# Altium PCB Inverter_540VDC_V2.1.PcbDoc (part 1 of 2) (continued)
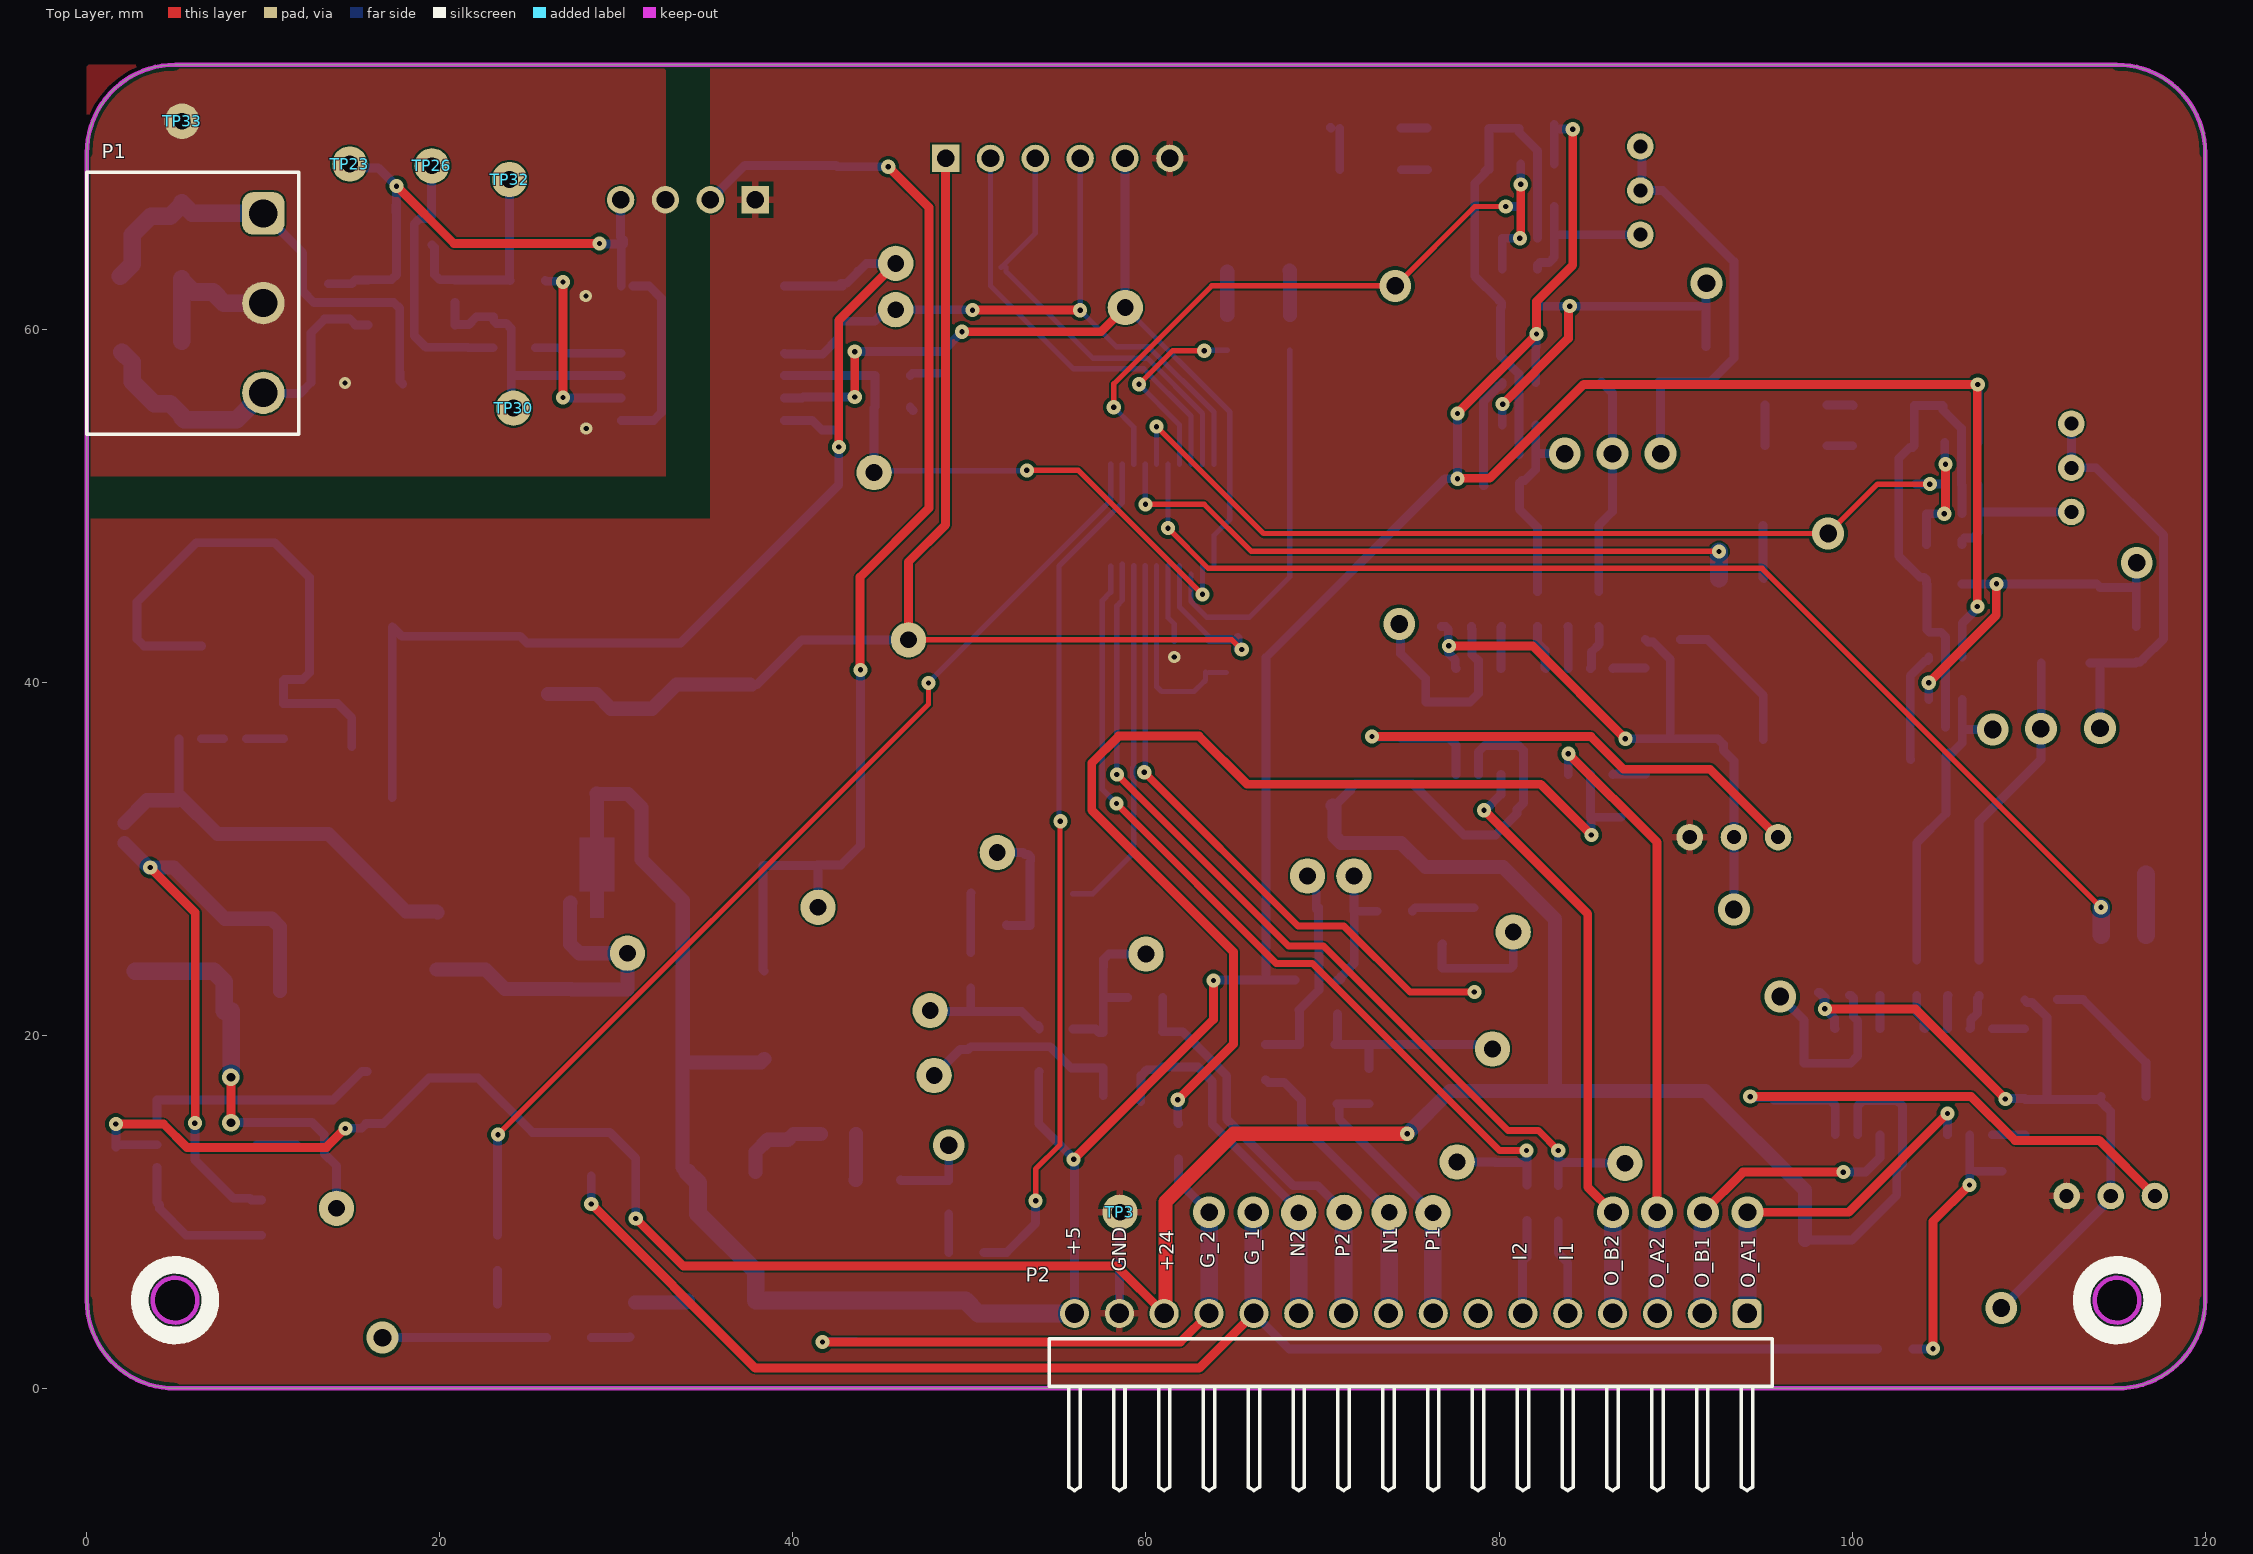
[diagram p0: Top Layer view]
## Components (designator, comment, footprint, x,y, rotation, side; value= is the part's Value field where it differs from the comment) (continued)
R49 "0.33" RES-1206 15.875,16.375 r90 bottom
R50 "100" RES-0805 24.025,58.975 r0 bottom
R51 "100" RES-0805 24.975,62.775 r0 bottom
R52 "3.8K" RES-0805 9.325,9.725 r270 bottom
R53 "10K" RES-0805 24.05,60.725 r180 bottom
R54 "220" RES-0805 45.65,57.4 r180 bottom
R55 "10K" RES-0805 45.65,55.625 r180 bottom
R56 "10K" RES-0805 16.75,56.925 r0 bottom
R57 "1.2K" RES-0805 4.975,10.575 r180 bottom
R58 "10K" RES-0805 65.2,41.55 r270 bottom
R59 "220" RES-0805 64.6,59.825 r90 bottom
R60 "10K" RES-0805 72.625,17.15 r90 bottom
R61 "10K" RES-0805 53.075,63.525 r0 bottom
R62 "10K" RES-0805 74.1,27.05 r180 bottom
R63 "10K" RES-0805 76.8,26.2 r90 bottom
R64 "10K" RES-0805 78.6,22.825 r90 bottom
R65 "220" RES-0805 68.15,59.825 r90 bottom
R66 "10K" RES-0805 66.775,18.5 r90 bottom
R67 "100K*" RES-0805 76.775,22.85 r270 bottom
R68 "10K" RES-0805 74.525,20.375 r270 bottom
R69 "10K" RES-0805 70.8,25.225 r0 bottom
R70 "10K" RES-0805 83.35,10.525 r90 bottom
R71 "10K" RES-0805 59.95,22.175 r180 bottom
R72 "10K" RES-0805 50.075,23.7 r270 bottom
R73 "10K" RES-0805 51.1,26.275 r180 bottom
R74 "10K" RES-0805 54.45,28.05 r180 bottom
R75 "10K" RES-0805 58.55,16.3 r180 bottom
R76 "100K*" RES-0805 54.425,26.25 r0 bottom
R77 "10K" RES-0805 81.575,10.55 r90 bottom
R81 "10K" RES-0805 56.625,23.95 r0 bottom
R82 "22K" RES-0805 81.575,13.825 r270 bottom
R83 "22K" RES-0805 85.125,13.8 r270 bottom
R84 "10K" RES-0805 51.875,20.375 r90 bottom
TP1 "Test_Point_PCB" Test_Point#1 108.45,4.575 r90 bottom
TP2 "Test_Point_PCB" Test_Point#1 16.75,2.9 r90 bottom
TP3 "Test_Point_PCB" Test_Point#2 58.525,10 r0 top locked
TP4 "Test_Point_PCB" Test_Point#1 98.636,48.448 r90 bottom
TP5 "Test_Point_PCB" Test_Point#1 114.039,37.419 r0 bottom
TP6 "Test_Point_PCB" Test_Point#1 107.964,37.344 r0 bottom
TP7 "Test_Point_PCB" Test_Point#1 91.55,10 r90 bottom locked
TP8 "Test_Point_PCB" Test_Point#3 95.929,22.221 r180 bottom
TP9 "Test_Point_PCB" Test_Point#1 116.116,46.795 r0 bottom
TP10 "Test_Point_PCB" Test_Point#1 94.075,10 r90 bottom locked
TP11 "Test_Point_PCB" Test_Point#1 110.689,37.394 r0 bottom
TP12 "Test_Point_PCB" Test_Point#1 93.3,27.15 r0 bottom
TP13 "Test_Point_PCB" Test_Point#1 48.825,13.8 r180 bottom
TP15 "Test_Point_PCB" Test_Point#1 74.123,62.475 r90 bottom
TP16 "Test_Point_PCB" Test_Point#1 89.15,52.975 r0 bottom
TP17 "Test_Point_PCB" Test_Point#1 83.725,52.975 r0 bottom
TP18 "Test_Point_PCB" Test_Point#1 86.45,10 r90 bottom locked
TP19 "Test_Point_PCB" Test_Point#1 74.343,43.324 r180 bottom
TP20 "Test_Point_PCB" Test_Point#1 91.75,62.625 r0 bottom
TP21 "Test_Point_PCB" Test_Point#1 88.95,10 r90 bottom locked
TP22 "Test_Point_PCB" Test_Point#1 86.425,52.975 r0 bottom
TP23 "Test_Point_PCB" Test_Point#2 14.9,69.375 r90 top
TP24 "Test_Point_PCB" Test_Point#2 14.15,10.225 r90 bottom
TP25 "Test_Point_PCB" Test_Point#2 30.625,24.675 r90 bottom
TP26 "Test_Point_PCB" Test_Point#2 19.55,69.275 r90 top
TP27 "Test_Point_PCB" Test_Point#2 44.6,51.9 r90 bottom
TP28 "Test_Point_PCB" Test_Point#2 45.825,61.125 r90 bottom
TP30 "Test_Point_PCB" Test_Point#2 24.175,55.55 r90 top
TP31 "Test_Point_PCB" Test_Point#2 58.825,61.25 r90 bottom
TP32 "" Test_Point#2 23.95,68.5 r90 top
TP33 "Test_Point_PCB" Test_Point#2 5.4,71.8 r90 top
TP34 "" Test_Point#2 46.55,42.425 r90 bottom
TP35 "Test_Point_PCB" Test_Point#2 45.825,63.75 r90 bottom
TP36 "Test_Point_PCB" Test_Point#4 76.25,9.925 r90 bottom
TP37 "Test_Point_PCB" Test_Point#2 79.625,19.25 r90 bottom
TP38 "Test_Point_PCB" Test_Point#2 80.8,25.875 r90 bottom
TP39 "Test_Point_PCB" Test_Point#2 71.775,29.05 r90 bottom
TP41 "Test_Point_PCB" Test_Point#2 73.775,10 r90 bottom
TP42 "Test_Point_PCB" Test_Point#2 69.15,29.05 r90 bottom
TP43 "Test_Point_PCB" Test_Point#2 87.125,12.775 r90 bottom
TP44 "Test_Point_PCB" Test_Point#4 71.225,9.95 r90 bottom
TP45 "Test_Point_PCB" Test_Point#2 60,24.625 r180 bottom
TP46 "Test_Point_PCB" Test_Point#2 77.623,12.85 r270 bottom
TP47 "Test_Point_PCB" Test_Point#2 51.575,30.375 r180 bottom
TP48 "Test_Point_PCB" Test_Point#2 47.775,21.425 r180 bottom
TP49 "Test_Point_PCB" Test_Point#2 41.425,27.275 r90 bottom
TP50 "Test_Point_PCB" Test_Point#5 68.65,9.85 r90 bottom
TP51 "Test_Point_PCB" Test_Point#2 48,17.75 r180 bottom
TP52 "Test_Point_PCB" Test_Point#1 66.075,10 r90 bottom locked
TP53 "Test_Point_PCB" Test_Point#1 63.575,10 r90 bottom locked
U1 "LP2951-5.0" SOIC-8_L 7.13,39.45 r270 bottom
U2 "B0505S-1W" B0505S-1W 34.05,69.45 r180 bottom
U3 "MC34063" SOIC-8_M 6.8,14.46 r180 bottom
U4 "AMS1117" SOT-89 28.9,29.325 r180 bottom
U5 "MAX485" SOIC-8-MFG 18.4,60.9 r180 bottom locked
U6 "ADUM1401BRWZ" ADI-RW-16_M 34.9,58.025 r180 bottom
U7 "STM32G030F6P6" FP-TSSOP20-YA-IPC_A 60.925,49.5 r90 bottom
U8 "AMS1117-3.3" SOT-223 17.3,39.775 r180 bottom
U9 "" SOT-23-5 69.65,22.2 r180 bottom
U10 "" SOT-23-5 54.9,19.175 r270 bottom
VD1 "SS16" "DO-214AC, SMA" 113.464,43.269 r90 bottom
VD2 "SS16" "DO-214AC, SMA" 110.139,43.294 r90 bottom
VD3 "1N4148" SOD-123 101.789,55.694 r0 bottom
VD4 "1N4148" SOD-123 101.764,53.419 r180 bottom
VD5 "1N4148" SOD-123 96.814,55.719 r0 bottom
VD6 "1N4148" SOD-123 96.814,53.419 r180 bottom
VD7 "SS16" "DO-214AC, SMA" 89.05,59.175 r90 bottom
VD8 "SS16" "DO-214AC, SMA" 85.8,59.175 r90 bottom
VD9 "1N4148" SOD-123 77.7,69.05 r0 bottom
VD10 "1N4148" SOD-123 77.675,71.425 r180 bottom
VD11 "1N4148" SOD-123 72.725,69.05 r0 bottom
VD12 "1N4148" SOD-123 72.7,71.425 r180 bottom
VD13 "DIODE" "DO-214AC, SMA" 2.75,21.5 r270 bottom
VT1 "BC847" SOT23-3 22.075,3.85 r180 bottom
VT2 "BC847" SOT23-3 50.025,10.85 r0 bottom
ZD1 "P6SMB16CA" DO-214AA 1.925,61.05 r270 bottom
ZD2 "P6SMB16CA" DO-214AA 5.375,57.2 r270 bottom locked
ZD3 "P6SMB16CA" DO-214AA 5.375,65.025 r90 bottom locked

## Footprints (in the part's own frame and the unit in brackets; to place one, negate y for a bottom-side part, rotate by r counter-clockwise, add the part's x,y. Pads: shape width x height; smd on the part's side, far side on the other; paste and mask are expansions set on the pad)
4-SMD [mm]
  rect 1.6x1 smd: 1(-4.575,1.27) 2(-4.575,-1.27) 3(4.575,-1.27) 4(4.575,1.27)
  silkscreen extent -5.6,-2.4 5.6,2.4, body extent -5,-2.29 5,2.29, height 3.85
3296W [mm]
  round 1.5 hole 0.8: 1(2,-2.8) 2(2,-0.3) 3(2,2.2)
  silkscreen extent -0.4,-5.1 4.5,4.6, body extent -0.43,-5.02 4.4,4.52, height 11.55
61301611021 [mm] "Pin Header, pitch 2.54 mm, THT, Angled, single row, 16p"
  rrect50% 1.65x1.65 hole 1.1: 1(19.05,2.77)
  round 1.65 hole 1.1: 2(16.51,2.77) 3(13.97,2.77) 4(11.43,2.77) 5(8.89,2.77) 6(6.35,2.77) 7(3.81,2.77) 8(1.27,2.77) 9(-1.27,2.77) 10(-3.81,2.77) 11(-6.35,2.77) 12(-8.89,2.77) 13(-11.43,2.77) 14(-13.97,2.77) 15(-16.51,2.77) 16(-19.05,2.77)
  silkscreen extent -20.47,-7.27 20.47,1.35, body extent -20.32,-7.27 20.32,3.09, height 2.58
691701530003B [mm] "THR - 5,08mm - PCB Horizontal Open - 03p"
  rrect50% 2.4x2.4 hole 1.6: 1(-5.08,4)
  round 2.4 hole 1.6: 2(0,4) 3(5.08,4)
  silkscreen extent -7.42,-6 7.42,6, body extent -7.42,-6 7.42,6, height 8.6
ADI-RW-16_M [mm] "SOIC, 16-Leads, Body 10.3x7.5mm, Pitch 1.27mm, IPC Low Density"
  oval 2.6x0.7 smd: 1(-4.625,4.445) 2(-4.625,3.175) 3(-4.625,1.905) 4(-4.625,0.635) 5(-4.625,-0.635) 6(-4.625,-1.905) 7(-4.625,-3.175) 8(-4.625,-4.445) 9(4.625,-4.445) 10(4.625,-3.175) 11(4.625,-1.905) 12(4.625,-0.635) 13(4.625,0.635) 14(4.625,1.905) 15(4.625,3.175) 16(4.625,4.445)
  silkscreen extent -4.75,-5.25 2.93,5.47, body extent -3.8,-5.25 3.8,5.25, height 2.65
B0505S-1W [mm]
  rect 1.55x1.55 hole 1 paste-2539.97 mask+0: 1(-3.81,-2.1)
  round 1.55 hole 1 paste-2539.97 mask+0: 2(-1.27,-2.1) 3(1.27,-2.1) 4(3.81,-2.1)
  silkscreen extent -6.53,-3.13 5.92,3.13, body extent -5.8,-3 5.8,3, height 10.41
CAP-0805 [mm]
  rect 0.8x1.25 smd mask+0.015: 1(-1,0) 2(1,0)
  silkscreen extent -1.52,-0.76 1.52,0.76, body extent -1,-0.62 1,0.63, height 0.8
CAP-TAN-C [mm]
  rect 2.3x2.3 smd: 1(-2.7,0) 2(2.7,0)
  silkscreen extent -3.8,-1.9 3,1.9, body extent -2.9,-1.6 2.9,1.6, height 2.6
CAP-TAN-D [mm]
  rect 2.2x2.5 smd: 1(-3.45,0) 2(3.45,0)
  silkscreen extent -4.5,-2.4 3.65,2.4, body extent -3.8,-2.3 3.8,2.3, height 4
Coil_4.5x4.5_mm [mm]
  rect 1.8x4 smd: 1(-1.397,0) 2(1.397,0)
  silkscreen extent -0.38,-2.03 0.38,2.03, body extent -2.07,-2.07 2.07,2.07, height 2.8
DO-214AA [mm]
  rect 2.5x2.3 smd: 1(-2.15,0) 2(2.15,0)
  silkscreen extent -3.7,-1.5 3.7,1.5, body extent -2.65,-1.81 2.65,1.81, height 2.5
"DO-214AC, SMA" [mm]
  rect 2x2.3 smd: 1(-2.15,0) 2(2.15,0)
  silkscreen extent -3.35,-1.5 3.35,1.5, body extent -2.74,-1.4 2.74,1.4, height 2.24
FP-TSSOP20-YA-IPC_A [mm]
  rect 1.955x0.421 smd paste+0 mask+0: 1(-2.875,2.925)
  rrect100% 1.955x0.421 smd paste+0 mask+0: 2(-2.875,2.275) 3(-2.875,1.625) 4(-2.875,0.975) 5(-2.875,0.325) 6(-2.875,-0.325) 7(-2.875,-0.975) 8(-2.875,-1.625) 9(-2.875,-2.275) 10(-2.875,-2.925) 11(2.875,-2.925) 12(2.875,-2.275) 13(2.875,-1.625) 14(2.875,-0.975) 15(2.875,-0.325) 16(2.875,0.325) 17(2.875,0.975) 18(2.875,1.625) 19(2.875,2.275) 20(2.875,2.925)
  silkscreen extent -4.53,-3.25 1.4,3.25, body extent -3.21,-3.25 3.21,3.25, height 1.2
IND-5852 [mm]
  rect 2.2x5.5 smd: 1(-1.925,0) 2(1.925,0)
  silkscreen extent -3.47,-3.15 3.5,3.15, body extent -3,-3 3,3, height 4.5
JE [mil]
  rect 50x27.56 smd: 1(1,20) 2(1,-21)
  silkscreen extent -39,-39 39,39
LED_RED [mm]
  rect 1.1x1.2 smd paste+0 mask+0: 1(-1.05,0) 2(1.05,0)
  silkscreen extent -2.27,-0.67 0.13,0.67, body extent -1,-0.63 1,0.63, height 0.8
RES-0805 [mm]
  rect 0.8x1.25 smd mask+0.015: 1(-1,0) 2(1,0)
  silkscreen extent -1.52,-0.76 1.52,0.76, body extent -1,-0.62 1,0.63, height 0.6
RES-1206 [mm]
  rect 1x1.6 smd: 1(-1.6,0) 2(1.6,0)
  silkscreen extent -2.29,-1.02 2.29,1.02, body extent -1.6,-0.8 1.6,0.8, height 0.6
SO16-150 [mm]
  rect 1.5x0.6 smd: 1(-3,4.46) 2(-3,3.19) 3(-3,1.92) 4(-3,0.65) 5(-3,-0.62) 6(-3,-1.89) 7(-3,-3.16) 8(-3,-4.43) 9(3,-4.43) 10(3,-3.16) 11(3,-1.89) 12(3,-0.62) 13(3,0.65) 14(3,1.92) 15(3,3.19) 16(3,4.46)
  silkscreen extent -2,-5 2,5.06, body extent -3.07,-4.98 3.07,4.98, height 1.78
SOD-123 [mm]
  rect 1x0.7 smd: 1(-1.75,0) 2(1.75,0)
  silkscreen extent -2.37,-1.08 2.35,1.02, body extent -1.98,-0.85 1.98,0.85, height 1.45
SOIC-8-MFG [mm]
  rect 1.98x0.53 smd paste+0 mask+0: 1(-2.465,1.905) 2(-2.465,0.635) 3(-2.465,-0.635) 4(-2.465,-1.905) 5(2.465,-1.905) 6(2.465,-0.635) 7(2.465,0.635) 8(2.465,1.905)
  silkscreen extent -4.28,-2.5 1.1,2.5, body extent -3,-2.45 3,2.45, height 1.75
SOIC-8_L [mm]
  rrect18% 1.25x0.55 smd: 1(-2.625,1.905) 2(-2.625,0.635) 3(-2.625,-0.635) 4(-2.625,-1.905) 5(2.625,-1.905) 6(2.625,-0.635) 7(2.625,0.635) 8(2.625,1.905)
  silkscreen extent -2.75,-2.5 1.6,2.85, body extent -3,-2.45 3,2.45, height 1.63
SOIC-8_M [mm]
  rrect15% 1.65x0.65 smd: 1(-2.825,1.905) 2(-2.825,0.635) 3(-2.825,-0.635) 4(-2.825,-1.905) 5(2.825,-1.905) 6(2.825,-0.635) 7(2.825,0.635) 8(2.825,1.905)
  silkscreen extent -2.95,-2.5 1.6,2.9, body extent -3,-2.45 3,2.45, height 1.63
SOT23-3 [mm]
  rect 1x0.6 smd: 1(-1.2,0.95) 2(-1.2,-0.95) 3(1.2,0)
  silkscreen extent -0.4,-1.55 0.4,1.55, body extent -1.25,-1.46 1.23,1.46, height 1.02
SOT-23-5 [mm]
  rect 0.9x0.65 smd: 1(-1.2,0.95) 2(-1.2,0) 3(-1.2,-0.95) 4(1.2,-0.95) 5(1.2,0.95)
  silkscreen extent -1.32,-1.55 0.35,1.95, body extent -1.4,-1.45 1.4,1.45, height 1.24
SOT-89 [mm]
  rect 0.58x1.73 smd paste+0 mask+0: 1(-1.5,-1.781) 3(1.5,-1.781)
  round 1.74 smd paste+0 mask+0: 2(0,0)
  Top Layer region: -0.38,-2.646 -0.38,-1.146 -0.967,-1.146 -0.967,1.884 0.967,1.884 0.967,-1.146 0.38,-1.146 0.38,-2.646
  silkscreen extent -2.7,-2.47 2.3,1.15, body extent -2.25,-2.42 2.25,1.68, height 1.6
SOT-223 [mm]
  rect 1.2x2.6 smd paste+0 mask+0: 1(-2.29,-3.395)
  rrect100% 1.2x2.6 smd paste+0 mask+0: 2(0,-3.395) 3(2.29,-3.395)
  rrect59% 4x2.2 smd paste+0 mask+0: 2(0,3.395)
  silkscreen extent -3.63,-3.52 3.25,1.75, body extent -3.25,-3.53 3.25,3.53, height 1.8
Sullins_SWR25X-NRTC-S06-ST-BA_MFG [mm]
  rect 1.55x1.55 hole 1 paste-2539.97 mask+0: 1(-6.35,0.3)
  round 1.55 hole 1 paste-2539.97 mask+0: 2(-3.81,0.3) 3(-1.27,0.3) 4(1.27,0.3) 5(3.81,0.3) 6(6.35,0.3)
  silkscreen extent -7.8,-3.67 7.8,3.05, body extent -7.65,-2.9 7.65,2.9, height 11.7
Test_Point#1 [mm]
  round 1.8 hole 1 paste-2539.97 mask+0.102: 1(0,0)
Test_Point#2 [mm]
  round 2 hole 0.95: 1(0,0)
Test_Point#3 [mm]
  round 1.8 hole 1 unplated paste-2539.97 mask+0.102: 1(0,0)
Test_Point#4 [mm]
  round 2 hole 0.95: 1(0.05,0)
Test_Point#5 [mm]
  round 2 hole 0.95: 1(0.125,0)
WE-PD2_7850 [mm] "SMD Power Inductor, 2-Leads, body 7.8x7mm"
  rect 3x7.5 smd: 1(-2.5,0) 2(2.5,0)
  silkscreen extent -4.59,-0.12 -4.34,0.13, body extent -3.81,-3.5 3.81,3.5, height 4.95

## Part data
C1 C11 C33: library part CAP-POLAR
C2 C3 C4 C5 C6 C7 C8 C9 C10 C12 C13 C14 C15 C16 C17 C18 C19 C20 C22 C23 C25 C29 C31 C32 C34 C35 C36 C37 C38 C39 C40 C41 C42 C43 C44 C45 C46 C47 C48 C49 C50 C51 C52 C53 C55: library part CAP-NON-POLAR
D2: "WURTH ELEKTRONIK - 151031YS06000 - LED, Yellow, Through Hole, T-1 (3mm), 30 mA, 2 V, 590 nm", Manufacturer_Name="Wurth Elektronik", Manufacturer_Part_Number=151031YS06000, Mouser Part Number=710-151031YS06000, Datasheet Link=https://katalog.we-online.de/led/datasheet/151031YS06000.pdf, Geometry.Height=5.5mm, Mouser Price/Stock=https://www.mouser.co.uk/ProductDetail/Wurth-Elektronik/151031YS06000?qs=LlUlMxKIyB3xSYYW%252BcuBiQ%3D%3D
D3 D4: library part LED, "WURTH ELEKTRONIK - 151031YS06000 - LED, Yellow, Through Hole, T-1 (3mm), 30 mA, 2 V, 590 nm", Manufacturer_Name="Wurth Elektronik", Mouser Part Number=710-151031YS06000, Datasheet Link=https://katalog.we-online.de/led/datasheet/151031YS06000.pdf, Geometry.Height=5.5mm, Manufacturer_Part_Number=151031YS06000, Mouser Price/Stock=https://www.mouser.co.uk/ProductDetail/Wurth-Elektronik/151031YS06000?qs=LlUlMxKIyB3xSYYW%252BcuBiQ%3D%3D
JE1: library part JE
L6: library part 74477530, "WE-PD2 SMT Power Inductor, size 7850, 1000µH, 0.3A, 3.3Ω", Case/Size Code=7850, DC Resistance=2.78Ω, DC Resistance Max=3.3Ω, Inductance=1000µH, Manufacturer="Wurth Elektronik", Operating Temperature Max=125°C, Operating Temperature Min=-40°C, Rated Current=0.3A, Self Resonant Frequency=2.4MHz, Category="Unshielded Power Inductors", ComponentLink1Description="Website Link", ComponentLink1URL=https://www.we-online.com/redexpert/article/74477530?ad, ComponentLink2Description="Datasheet Link", ComponentLink2URL=https://www.we-online.com/redexpert/spec/74477530?ad, Height=4.95mm, Length=7.8mm, Manufacturer Part Number=74477530, Match Code=WE-PD2, Mount="Surface Mount", Packaging="Tape and Reel", Saturation Current=0.3A, Width=7mm, Simulation ModelName=7850_74477530_1m, Simulation ModelText="******* / .subckt 7850_74477530_1m 1 2 / Rp 1 2 187304.915771 / Cp 1 2 4.36976277949p / Rs 1 N3 3.3 / L1 N3 2 1000u / .ends 7850_74477530_1m", Simulation PortMap=(1:1),(2:2)
P1: "WR-TBL Series 7015B Open Horizontal PCB Header, SMT, pitch 5.08mm, 3p", Manufacturer="Wurth Elektronik", Operating Temperature Max=105°C, Operating Temperature Min=-40°C, Rated Current=10A, Working Voltage=300V, Application=Pluggable, Category="Terminal Blocks", ComponentLink1Description="Website Link", ComponentLink1URL=https://www.we-online.com/redexpert/article/691701530003B?ad, ComponentLink2Description="Datasheet Link", ComponentLink2URL=https://www.we-online.com/redexpert/spec/691701530003B?ad, Manufacturer Part Number=691701530003B, Match Code=WR-TBL, Modularity=No, Mount="Surface Mount", Number of Pins=3, Number of Rows=1, Orientation=Horizontal, Packaging=Box, Pitch=5.08mm
P2: "WR-PHD Pin Header, THT, Angled, pitch 2.54mm, 1 Row, 16P", Contact Resistance=20mΩ, Manufacturer="Wurth Elektronik", Operating Temperature Max=105°C, Operating Temperature Min=-40°C, Rated Current=3A, Withstanding Voltage=500V, Working Voltage=250V, Category="Board-to-Board Connectors", ComponentLink1Description="Website Link", ComponentLink1URL=https://www.we-online.com/redexpert/article/61301611021?ad, ComponentLink2Description="Datasheet Link", ComponentLink2URL=https://www.we-online.com/redexpert/spec/61301611021?ad, Gender="Pin Header", Manufacturer Part Number=61301611021, Match Code=WR-PHD, Mount="Through Hole", Number of Pins=16, Number of Rows=1, Orientation=Angled, Packaging=Bag, Pitch=2.54mm
R1 R22 R52: library part RES-CONST, "10K"
R3 R4 R5 R7 R8 R9 R10 R11 R12 R13 R14 R15 R16 R18 R19 R20 R21 R24 R25 R26 R28 R29 R30 R31 R32 R33 R34 R35 R36 R37 R39 R40 R41 R42 R43 R44 R45 R46 R47 R48 R49 R50 R51 R53 R54 R55 R56 R57 R58 R59 R60 R61 R62 R63 R64 R65 R66 R67 R68 R69 R70 R71 R72 R73 R74 R75 R76 R77 R81 R82 R83 R84: library part RES-CONST
R17 R38: library part RES-CONST, "1K"
TP1 TP2 TP3 TP4 TP5 TP6 TP7 TP8 TP9 TP10 TP11 TP12 TP13 TP15 TP16 TP17 TP18 TP19 TP20 TP21 TP22 TP23 TP24 TP25 TP26 TP27 TP28 TP30 TP31 TP32 TP33 TP34 TP35 TP36 TP37 TP38 TP39 TP41 TP42 TP43 TP44 TP45 TP46 TP47 TP48 TP49 TP50 TP51 TP52 TP53: library part TP_PCB?, "Test_Point"
U1: library part LP2951-3.3
U6: library part CMP-0534-00565-1, "Quad Channel Digital Isolator, 2.5 KV rms Insulation Rating, 10 Mbps Data Rate, 50 ns Delay, Industrial, 16-pin SOIC (RW-16), Tube", Manufacturer="Analog Devices", Max Operating Temp (degreesC)=125, Code_JEDEC=MS-013-AA, ComponentLink1Description="Manufacturer URL", ComponentLink1URL=http://www.analog.com/en/index.html, ComponentLink2Description=Datasheet, ComponentLink2URL=http://www.analog.com/static/imported-files/data_sheets/ADuM1400_1401_1402.pdf, ComponentLink3Description="Package Specification", ComponentLink3URL=http://www.analog.com/static/imported-files/packages/PKG_PDF/SOIC_WIDE%20%28RW%29/RW_16.pdf, ComponentLink4Description="URL Link1", ComponentLink4URL="Product URL:http://www.analog.com/en/interface-isolation/digital-isolators/adum1401/products/product.html", ComponentLink5Description="URL Link2", ComponentLink5URL="Reference Circuit:http://www.analog.com/en/interface-isolation/digital-isolators/adum1401/products/product.html#product-recommendations", DatasheetVersion="Rev. H", Max Data Rate=10Mbps, Mounting Technology="Surface Mount", PackageDescription="16-Pin Standard Small Outline Package, Body 10.3 x 7.5 mm, Pitch 1.27 mm", PackageReference=RW-16, PackageVersion="032707-B, 03/2007", PartNumber=ADUM1401BRWZ
U7: "SOIC-20"
U8: library part AMS1117
U9 U10: library part MCP6001T, "IC OPAMP GP 1 CIRCUIT SOT23-5", Case/Package=SOT-23, Input Bias Current=1pA, Input Offset Voltage (Vos)=4.5mV, Max Operating Temperature=85°C, Max Supply Voltage=6V, Min Operating Temperature=-40°C, Min Supply Voltage=1.8V, Nominal Supply Current=100uA, Operating Supply Voltage=5.5V, Output Current=23mA, Package Quantity=1, Power Supply Rejection Ratio (PSRR)=86dB, Voltage Gain=112dB, Bandwidth=1MHz, Common Mode Rejection Ratio=60dB, Contact Plating=Tin, Gain Bandwidth Product=1MHz, Height=1.3mm, Lead Free="Lead Free", Length=3.1mm, Mount="Surface Mount", Number of Amplifiers=1, Number of Channels=1, Number of Circuits=1, Number of Elements=1, Number of Pins=5, Operating Supply Current=100uA, Output Current per Channel=23mA, Packaging="Tape and Reel", Radiation Hardening=No, REACH SVHC="No SVHC", Slew Rate=0.6V/µs, Unity Gain Bandwidth Product=1MHz, Voltage=6V, Width=1.8mm
VD1 VD2 VD3 VD4 VD5 VD6 VD7 VD8 VD9 VD10 VD11 VD12: library part DIODE
VT1 VT2: library part BIPOLAR-NPN-BEC

## Via types
v1: diameter 0.8, hole 0.3, Top Layer to Bottom Layer, 73 vias
v2: diameter 1.8, hole 1, Top Layer to Bottom Layer, 22 vias
v3: diameter 0.7, hole 0.3, Top Layer to Bottom Layer, 4 vias
v4: diameter 1, hole 0.5, Top Layer to Bottom Layer, 2 vias

## Nets (pads, with @x,y where several pads share a name; then routed paths per layer and width w, separated by ;. In a path a pad name is that pad's centre, name@x,y a point inside that pad or via, vN(x,y) a via of type N, cw(c..) or ccw(c..) an arc to the next point about the centre after c; other vN are vias at no path point)
+3V3: C38.2 L5.1 R45.2 R48.2 TP35.1 U6.1 U6.7 U8.2 | length 64.5
  Top Layer w0.5: v1(42.6,53.35) 42.6,60.525 TP35.1@45.825,63.75
  Bottom Layer w0.5: C38.2@17.3,33.5 U8.2@17.3,36.38 U8.2@17.3,43.17 17.845,42.625 24.547,42.625 24.922,42.25 33.65,42.25 42.6,51.2 v1(42.6,53.35) ; U6.7@39.525,54.85 41.1,54.85 41.645,54.305 42.469,54.305 R45.2@42.6,54.175 v1(42.6,53.35) ; U6.1@39.525,62.47 39.53,62.475 R48.2@42.575,62.475 ; 43.643,63.268 43.7,63.325 ; TP35.1@45.825,63.75 44.175,63.75 43.05,62.625 R48.2@42.95,62.625 ; R48.2@42.575,62.475 42.8,62.475 R48.2@42.95,62.625 ; R48.2@42.575,62.475 42.725,62.625 R48.2@42.95,62.625
+3V3_MCU: C32.2 C33.1 C35.2 J1.1 L5.2 R58.1 TP34.1 U7.4 | length 76.5
  Top Layer w0.3: TP34.1@46.55,42.425 64.875,42.425 v1(65.425,41.875)
  Top Layer w0.5: TP34.1@46.55,42.425 46.55,46.85 48.65,48.95 J1.1@48.65,69.7
  Bottom Layer w0.3: U7.4@61.9,46.625 61.9,44.275 63.6,42.575 C32.2@63.6,42.45
  Bottom Layer w0.5: C35.2@37.564,39.9 C35.2@37.714,39.75 ; C35.2@37.975,39.9 40.5,42.425 TP34.1@46.55,42.425 TP34.1@46.857,42.425 ; C32.2@63.6,42.45 R58.1@64.825,42.45 ; R58.1@65.2,42.55 65.212,42.538 65.212,41.937 v1@65.225,41.925
  Bottom Layer w0.8: L5.2@26.125,39.353 28.872,39.353 29.7,38.525 32.025,38.525 33.4,39.9 C35.2@37.564,39.9
+5: C4.2 C5.2 C14.2 C15.2 C24.1 C36.2 C45.2 DD2.5 DD3.5 DD5.5 DD6.5 L1.2 L2.2 L6.1 P2.16 U4.2 U9.5 U10.5 | length 206.2
  Top Layer w0.5: v1(55.9,13) 63.825,20.925 v1(63.825,23.125) ; v1(77.65,51.55) 77.675,51.575 79.475,51.575 84.794,56.894 v1(107.114,56.894) 107.089,56.869 v1(107.089,44.319) ; v1(77.65,55.25) 77.65,55.275 77.775,55.4 v1(82.125,59.75) 82.125,61.6 84.175,63.65 v1(84.175,71.35)
  Bottom Layer w0.5: U10.5@53.95,17.975 53.925,17.95 C45.2@53.925,16.325 53.925,15.025 55.95,13 P2.16@55.95,4.27 ; v1(63.825,23.125) 63.85,23.15 C36.2@66.8,23.15 ; U9.5@68.45,23.15 C36.2@66.8,23.15 ; v1(77.65,51.55) 76.925,51.55 66.8,41.425 C36.2@66.8,23.15 ; v1@77.65,51.625 v1(77.65,55.25) ; DD6.5@82.075,57 C15.2@82.075,58.75 82.075,58.975 82.1,59 82.1,59.725 v1(82.125,59.75) ; DD5.5@83.125,69.375 C14.2@83.125,71.4 C14.2@83.125,71.519 ; C14.2@83.125,71.625 C14.2@83.125,71.519 ; v1(84.175,71.35) 84.156,71.369 83.275,71.369 C14.2@83.125,71.519 ; DD3.5@106.239,41.444 C5.2@106.239,43.144 106.239,43.369 107.032,44.162 107.032,44.262 v1(107.089,44.319) ; v1(107.114,56.894) 107.127,56.882 107.127,55.682 C4.2@107.139,55.669 DD2.5@107.139,53.594
  Bottom Layer w0.8: C24.1@28.875,33.725 C24.1@28.9,33.7 ; U4.2@28.9,29.325 C24.1@28.9,33.7 ; 33.75,18.494 33.75,12.55 L2.2@34.025,12.275 ; L6.1@38.375,18.675 38.194,18.494 33.756,18.494 33.756,27.644 31.425,29.975 31.425,32.925 30.662,33.687 28.912,33.687 C24.1@28.9,33.7
  Bottom Layer w1: L2.2@34.025,12.275 34.625,11.675 34.625,9.925 37.9,6.65 L1.2@37.9,5 49.775,5 50.505,4.27 P2.16@55.95,4.27
+5V_1: C21.1 C37.2 R43.1 U1.1 U1.2 U8.3 | length 32.1
  Bottom Layer w0.5: U1.2@6.495,42.075 U1.1@5.225,42.075 3.25,42.075 2.85,42.475 2.85,44.575 C21.1@3.65,45.375 6.2,47.925 10.65,47.925 12.625,45.95 12.625,40.575 12.23,40.18 11.205,40.18 11.15,40.125 R43.1@11.15,38.825 14.2,38.825 15.01,38.015 U8.3@15.01,36.38
+5V_ISO: C23.1 R44.2 R46.2 R47.2 TP23.1 U2.4 U5.8 U6.10 U6.16 | length 42.6
  Top Layer w0.5: v1(17.55,68.125) 20.8,64.875 v1(29.05,64.875)
  Bottom Layer w0.5: R44.2@13.7,62.6 15.005,62.6 15.21,62.805 U5.8@15.935,62.805 15.95,62.82 17.257,62.82 17.55,63.113 R47.2@17.55,64.8 17.55,66.625 17.538,66.638 17.538,67.025 17.538,68.113 v1(17.55,68.125) ; TP23.1@14.9,69.375 15.114,69.161 16.514,69.161 v1@17.525,68.15 ; R46.2@17.525,66.65 R46.2@17.525,67.025 ; v1(29.05,64.875) 29.075,64.85 C23.1@30.4,64.85 ; U2.4@30.24,67.35 30.24,65.235 30.4,65.075 C23.1@30.4,64.85 ; U6.10@30.275,54.85 32.1,54.85 32.55,55.3 32.55,61.775 31.85,62.475 U6.16@30.95,62.475 ; U6.16@30.275,62.47 30.275,64.725 C23.1@30.4,64.85
+5V_RS: C22.2 C54.1 C55.2 L6.2 TP49.1 U2.2 | length 66.4
  Top Layer w0.5: v1(43.825,40.725) 43.8,40.75 43.8,45.977 47.7,49.877 47.7,66.925 v1(45.4,69.225)
  Bottom Layer w0.5: U2.2@35.32,67.35 37.27,69.3 C22.2@42.45,69.3 42.525,69.225 v1(45.4,69.225) ; L6.2@38.375,23.675 38.3,23.75 C54.1@38.3,29.65 41.375,29.65 C55.2@41.4,29.675 ; TP49.1@41.425,27.275 41.425,29.65 C55.2@41.4,29.675 ; v1(43.825,40.725) 43.825,30.775 42.725,29.675 C55.2@41.4,29.675
+24V: C1.1 C7.2 C11.1 C17.2 C30.1 C31.1 DD1.13 DD1.15 DD4.13 DD4.15 P2.14 R49.1 U3.6 | length 185.4
  Top Layer w0.5: v1(1.65,15) 4.35,15 5.675,13.675 13.575,13.675 v1(14.65,14.75) ; v1(31.1,9.65) 33.8,6.95 58.35,6.95 P2.14@61.03,4.27
  Top Layer w0.8: P2.14@61.1,4.34 61.1,10.6 64.95,14.45 v1(74.8,14.45)
  Top Layer w1: P2.14@61.03,4.27 P2.14@61.1,4.34
  Bottom Layer w0.5: v1(1.65,15) C31.1@1.65,13.7 1.775,13.825 U3.6@3.975,13.825 ; v1(14.65,14.75) 14.663,14.763 15.563,14.763 15.825,15.025 16.8,15.025 C30.1@19.375,17.6 22.175,17.6 25.25,14.525 29.625,14.525 31.1,13.05 v1(31.1,9.65) ; C11.1@70.725,33.05 71.575,33.9 71.575,33.982 71.868,34.275 75.1,34.275 78,31.375 79.798,31.375 C17.2@81.02,32.597 81.02,32.822 81.375,33.177 DD4.13@81.375,34.8 81.375,36.154 81.082,36.447 79.203,36.447 78.835,36.079 DD4.15@78.835,34.8 ; 85.851,16.875 85.95,16.974 ; C1.1@97.329,8.421 99.979,8.421 102.529,10.971 C7.2@102.529,12.172 102.529,12.397 102.854,12.722 DD1.13@102.854,14.396 102.854,16.029 102.561,16.321 100.606,16.321 100.314,16.029 DD1.15@100.314,14.396
  Bottom Layer w0.8: C11.1@70.575,33.05 70.668,32.957 70.668,31.301 71.044,30.925 74.45,30.925 75.825,29.55 80.225,29.55 83.175,26.6 83.175,16.875 ; v1(74.8,14.45) 77.225,16.875 83.175,16.875 ; C1.1@97.329,8.421 97.329,11.246 91.7,16.875 85.851,16.875 83.175,16.875
GND_2: C23.2 P1.2 R53.1 R56.1 TP33.1 U2.3 U5.5 U6.9 U6.15 ZD2.1 ZD3.1 | length 8.8
  Bottom Layer w1: ZD2.1@5.375,59.35 ZD3.1@5.375,62.875 5.375,62.777 6.025,62.127 7.148,62.127 7.775,61.5 P1.2@10,61.5
  other v3: 28.3,54.4 14.625,56.975 28.275,61.9